# Altium PCB CM3_IO_V1.3_20220317.PcbDoc (part 1 of 7) (continued)
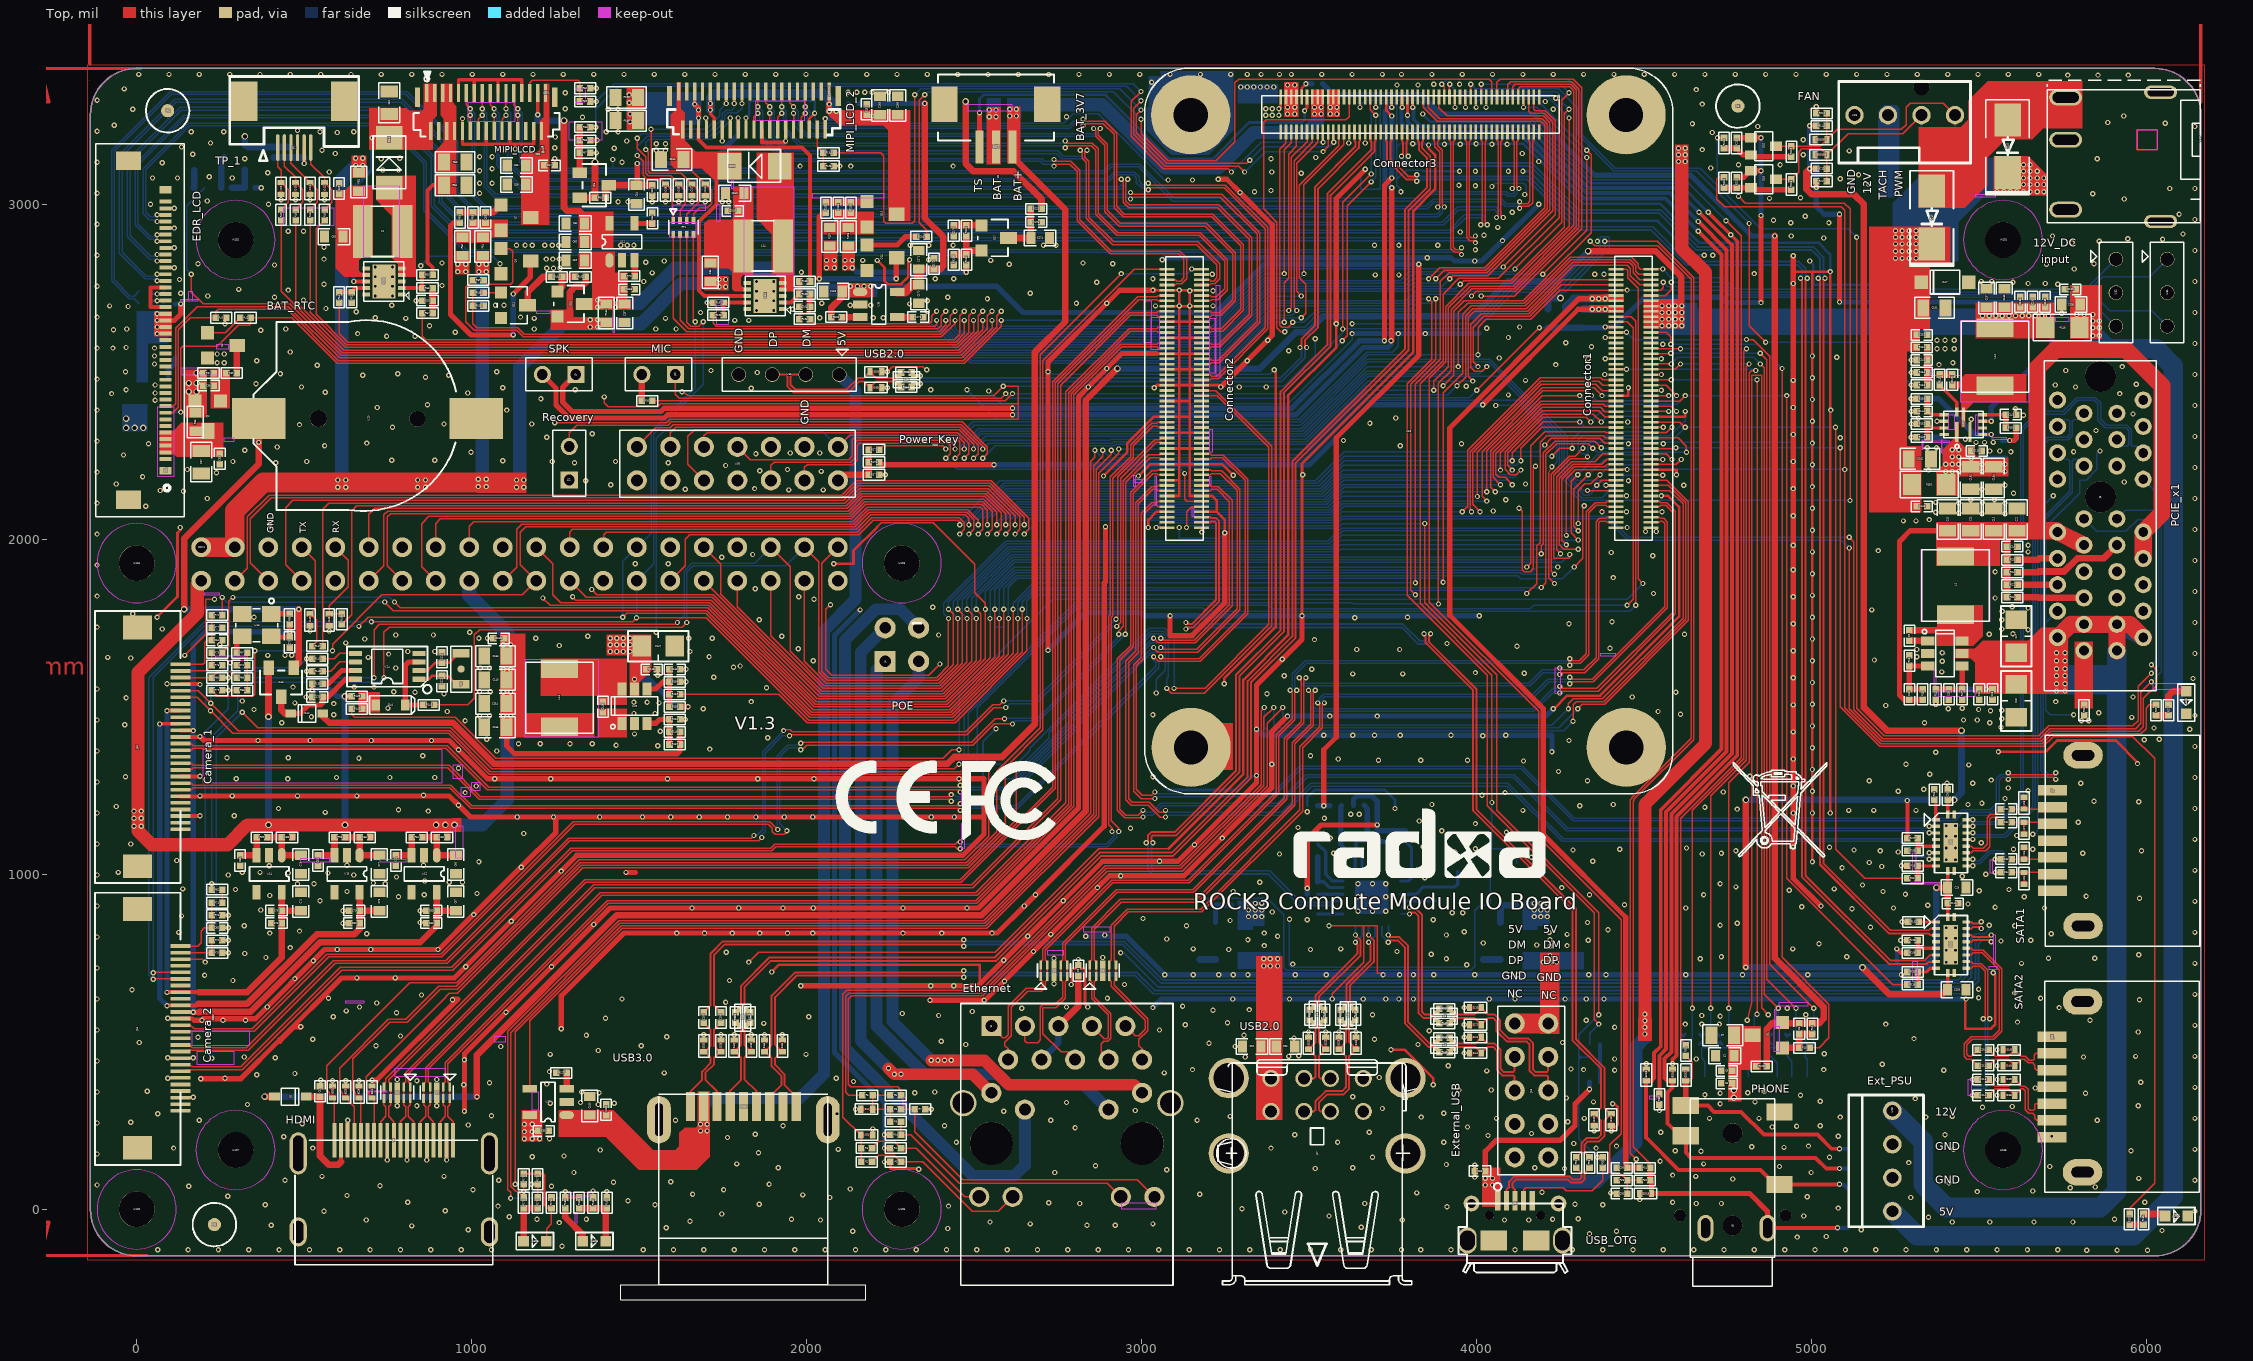
[diagram p0: Top view]
## Components (designator, comment, footprint, x,y, rotation, side; value= is the part's Value field where it differs from the comment) (continued)
R154 "R0402" R0402 5328.74,2498.03 r0 top
R155 "R0402" R0402 5594.49,2332.68 r180 top
R156 "R0402" R0402 5328.74,2419.29 r0 top
R157 "R0402" R0402 1606.3,1387.8 r180 top
R158 "R0402" R0402 1606.3,1500 r180 top
R159 "R0402" R0402 1606.3,1537.4 r180 top
R160 "R0402" R0402 1606.3,1574.8 r0 top
R161 "R0402" R0402 1606.3,1462.6 r0 top
R162 "R0603" R0603 1401.57,2675.2 r270 top
R163 "R0402" R0402 1324.8,2783.46 r0 top
R164 "R0402" R0402 1253.94,2783.46 r180 top
R165 "R0402" R0402 1019.69,2736.22 r180 top
R166 "R0402" R0402 1019.69,2696.85 r0 top
R167 "R0402" R0402 539.37,1681.1 r0 top
R168 "R0402" R0402 612.2,1761.81 r270 top
R169 "R0603" R0603 4212.6,2659.45 r90 bottom
R170 "R0603" R0603 4318.9,2659.45 r90 bottom
R171 "R0603" R0603 4265.75,2659.45 r90 bottom
R172 "R0402" R0402 2200.79,2267.72 r0 top
R173 "R0402" R0402 1155.51,90.55 r270 top
R174 "R0402" R0402 1238.19,19.68 r90 top
R175 "R0402" R0402 1155.51,19.68 r270 top
R176 "R0402" R0402 2200.79,2230.31 r0 top
R177 "R0402" R0402 2200.79,2192.91 r0 top
R178 "R0402" R0402 1196.85,19.68 r270 top
R179 "R0402" R0402 1196.85,90.55 r270 top
R180 "R0402" R0402 1279.53,19.68 r270 top
R181 "R0402" R0402 1320.87,19.68 r90 top
R182 "R0402" R0402 1403.54,19.68 r90 top
R183 "R0402" R0402 1362.2,19.68 r90 top
R184 "R0402" R0402 3523.62,3360.24 r180 bottom
R185 "R0603" R0603 3419.29,3320.87 r0 bottom
R187 "R0402" R0402 1736.22,2706.69 r0 top
R188 "R0402" R0402 1994.09,2769.68 r0 top
R189 "R0805" R0805 1462.6,3250 r180 top
R190 "R0402" R0402 1994.09,2732.28 r180 top
R191 "R0402" R0402 1736.22,2669.29 r0 top
R192 "R0805" R0805 1462.6,3318.9 r180 top
R193 "R0402" R0402 1994.09,2657.48 r180 top
R194 "R0402" R0402 2064.96,3153.54 r180 top
R195 "R0402" R0402 2064.96,3114.17 r0 top
R197 "R0603" R0603 2068.9,2903.54 r90 top
R198 "R0603" R0603 2124.02,2903.54 r90 top
R200 "R0402" R0402 2131.89,2990.16 r90 top
R203 "R0402" R0402 2057.09,2990.16 r270 top
R204 "R0402" R0402 2342.52,2903.54 r180 top
R205 "R0402" R0402 2088.58,2663.39 r0 top
R206 "R0402" R0402 5301.18,1070.87 r0 top
R207 "R0402" R0402 5301.18,1108.27 r0 top
R208 "R0402" R0402 5301.18,803.15 r0 top
R209 "R0402" R0402 5301.18,765.75 r0 top
R210 "R0402" R0402 4775.59,3183.07 r270 top
R211 "R0402" R0402 5029.53,3271.65 r0 top
R212 "R0402" R0402 4775.59,3064.96 r270 top
R213 "R0402" R0402 5029.53,3106.3 r0 top
R214 "R0402" R0402 4738.19,3183.07 r90 top
R215 "R0402" R0402 4738.19,3064.96 r90 top
R217 "R0402" R0402 5029.53,3068.9 r0 top
R218 "R0402" R0402 4938.98,3059.06 r270 top
R219 "R0402" R0402 4938.98,3157.48 r270 top
R220 "R0402" R0402 4850.39,427.17 r180 top
R221 "R0402" R0402 2476.38,2921.26 r270 top
R222 "R0402" R0402 2685.04,2986.22 r0 top
R223 "R0402" R0402 2476.38,2834.65 r90 top
R9209 "R0402" R0402 2438.98,2834.65 r270 top
R9210 "R0402" R0402 2139.76,3301.18 r180 bottom
R9211 "R0402" R0402 2139.76,3263.78 r180 bottom
RP1 "RN8P4RC" RN8P4RC 1631.89,2931.1 r180 top
TP1 "TP_0R70" TP_0R70 5106.3,3.94 r170.54 bottom
TP2 "TP_0R70" TP_0R70 5106.3,122.05 r170.54 bottom
TP3 "TP_0R70" TP_0R70 5106.3,181.1 r170.54 bottom
TP4 "TP_0R70" TP_0R70 5106.3,-55.12 r170.54 bottom
TP5 "TP_0R70" TP_0R70 5106.3,62.99 r170.54 bottom
TP6 "TP_0R70" TP_0R70 3744.09,1098.43 r180 bottom
TP7 "TP_0R70" TP_0R70 415.35,2311.02 r0 bottom
TP8 "TP_0R70" TP_0R70 364.17,2311.02 r0 bottom
TP9 "TP_0R70" TP_0R70 5338.58,2848.43 r180 bottom
TP10 "TP_0R70" TP_0R70 5397.64,2631.89 r180 bottom
TP11 "TP_0R70" TP_0R70 5338.58,2799.21 r180 bottom
TP14 "TP_1R00" TP_1R00 5427.17,3206.69 r180 bottom
TP15 "TP_1R00" TP_1R00 5326.77,3206.69 r180 bottom
TP16 "TP_1R00" TP_1R00 5127.95,3206.69 r180 bottom
U1 "SON10_2R50X1R00X0R50" SON10_2R50X1R00X0R50 895.67,348.43 r180 top
U2 "SON10_2R50X1R00X0R50" SON10_2R50X1R00X0R50 777.56,348.43 r180 top
U5 "SON10_2R50X1R00X0R50" SON10_2R50X1R00X0R50 2738.19,712.6 r0 top
U6 "SON10_2R50X1R00X0R50" SON10_2R50X1R00X0R50 2883.86,712.6 r0 top
U7 "SOT_23_6" SOT_23_6 5397.64,1659.45 r270 top
U8 "QFN20-2D5X4D5" QFN20-2D5X4D5 5415.35,1094.49 r270 top
U9 "SOT_23_5" SOT_23_5 55.12,2435.04 r270 bottom
U10 "DFN10P_3X3" DFN10P_3X3 738.19,2769.68 r90 top
U11 "SOT25" SOT25 1448.82,2887.8 r0 top
U12 "SOT25" SOT25 858.27,1001.97 r180 top
U13 "CRY4_3R20X2R50X0R80" CRY4_3R20X2R50X0R80 358.27,1744.09 r180 top
U14 "SOT25" SOT25 395.67,1001.97 r180 top
U15 "SOT25" SOT25 627.95,1001.97 r180 top
U17 "QFN24" QFN24 3687.01,931.1 r270 bottom
U18 "SOT_23_5" SOT_23_5 3259.84,801.18 r90 bottom
U19 "SOT_23_5" SOT_23_5 4110.24,801.18 r90 bottom
U20 "SOT_23_5" SOT_23_5 1228.35,320.87 r180 top
U22 "QFN20-2D5X4D5" QFN20-2D5X4D5 5415.35,789.37 r270 top
U23 "BAT_CR1220" BAT_CR1220 692.91,2360.24 r90 top
U24 "MSOP8" MSOP8 748.03,1620.08 r180 top
U26 "470531000_4PIN" 470531000_4PIN 5127.17,3266.14 r0 top
U27 "QFN12_2R00X3R00X1R00" QFN12_2R00X3R00X1R00 5452.76,2342.52 r90 top
U28 "XIAO_4PIN_2D54" XIAO_4PIN_2D54 5240.55,294.88 r270 top
U29 "SOT_23_6" SOT_23_6 1486.22,1501.97 r0 top
U30 "DIP_14PIN-2_54MM" DIP_14PIN-2_54MM 1793.31,2226.38 r0 top
U31 "DIP3_1X2P54" DIP3_1X2P54 6061.02,2736.22 r270 top
U32 "DIP3_1X2P54" DIP3_1X2P54 5907.87,2736.22 r270 top
U33 "DF40C-200DS-D4-OK" DF40C-200DS-D4-OK 3796.46,2323.03 r0 top
U34 "DFN10P_3X3" DFN10P_3X3 1875.98,2726.38 r90 top
U35 "SOT25" SOT25 2214.57,2700.79 r270 top
U36 "DIP4_1X2P54" DIP4_1X2P54 1946.85,2492.13 r180 top
U37 "DC-044A" DC-044A 6159.45,3192.91 r90 top
U90074 "LCD39PIN-OK" LCD39PIN-OK 2066.93,3336.61 r90 top
USB6 "USB30-L1" USB30-L1 1811.02,307.09 r0 top
Y1 "CRY4_3R20X2R50X0R80" CRY4_3R20X2R50X0R80 3909.45,964.57 r270 bottom
Y2 "CRY-3215" CRY-3215 968.5,1566.93 r90 top

## Footprints (in the part's own frame and the unit in brackets; to place one, negate y for a bottom-side part, rotate by r counter-clockwise, add the part's x,y. Pads: shape width x height; smd on the part's side, far side on the other; paste and mask are expansions set on the pad)
20455-040E-TOP [mm]
  rect 0.3x0.9 smd: 1(-20.4,0) 2(-19.9,0) 3(-19.4,0) 4(-18.9,0) 5(-18.4,0) 6(-17.9,0) 7(-17.4,0) 8(-16.9,0) 9(-16.4,0) 10(-15.9,0) 11(-15.4,0) 12(-14.9,0) 13(-14.4,0) 14(-13.9,0) 15(-13.4,0) 16(-12.9,0) 17(-12.4,0) 18(-11.9,0) 19(-11.4,0) 20(-10.9,0) 21(-10.4,0) 22(-9.9,0) 23(-9.4,0) 24(-8.9,0) 25(-8.4,0) 26(-7.9,0) 27(-7.4,0) 28(-6.9,0) 29(-6.4,0) 30(-5.9,0) 31(-5.4,0) 32(-4.9,0) 33(-4.4,0) 34(-3.9,0) 35(-3.4,0) 36(-2.9,0) 37(-2.4,0) 38(-1.9,0) 39(-1.4,0) 40(-0.9,0)
  rect 0.55x0.9 smd: 41(0,0) 42(-21.3,0)
  rect 1.4x1.9 smd: 43(-23.5,-2.82) 44(2.2,-2.82)
  silkscreen extent -24.8,-5.3 3.5,1.4
470531000_4PIN [mm]
  round 1.4 hole 0.9: 1(0.01,0) 2(2.55,0) 3(5.09,0) 4(7.63,0)
  round 1.2 hole 1.2: 5(5.09,2.11)
  silkscreen extent -1.19,-3.65 8.8,2.56
BAT_CR1220 [mm]
  rect 3.099x4.064 smd: 1(0,8.348) 2(0,-8.134)
  round 1.2 hole 1.2 unplated: 3(0,-3.685)
  round 1.3 hole 1.3 unplated: 4(0,3.815)
  silkscreen extent -6.99,-6.61 7.47,8.76
C0402 [mm]
  rect 0.5x0.5 smd: 1(-0.4,0) 2(0.4,0)
  silkscreen extent -0.8,-0.4 0.8,0.4
C0603 [mm]
  rect 0.7x0.9 smd: 1(-0.7,0) 2(0.7,0)
  silkscreen extent -1.2,-0.6 1.2,0.6
C0805 [mm]
  rect 0.9x1.3 smd: 1(-0.85,0) 2(0.85,0)
  silkscreen extent -1.5,-0.8 1.5,0.8
C1206 [mil]
  rect 55x63 smd mask+2.5: 1(-49.21,0) 2(49.21,0)
  silkscreen extent -90,-46 90,46
CRY4_3R20X2R50X0R80 [mm]
  rect 1.4x1.2 smd: 1(-1.1,-0.85) 2(1.1,-0.85) 3(1.1,0.85) 4(-1.1,0.85)
  silkscreen extent -1.6,-2.02 1.6,1.26
CRY-3215 [mm]
  rect 0.65x1.3 smd: 1(0,0) 2(2.35,0)
  round 0.55 smd: 3(1.175,0)
  silkscreen extent -0.6,-0.8 2.9,0.8
DC-044A [mm]
  oval 1.2x2.5 / inner oval 1.2x2.5 / far side oval 1.5x2.8 hole 0.787 slot 1.981 at 90 deg: 1(3.2,10.2) 2(-5.3,10.2) 3(0,10.2)
  oval 1x2.5 / inner oval 1x2.5 / far side oval 1.2x2.8 hole 0.6 slot 1.981 at 90 deg: 4(-6.2,3) 5(3.6,3)
  Top keep-out region: -0.759,4.741 0.741,4.741 0.741,3.241 -0.759,3.241 -0.759,4.741
  silkscreen extent -6.3,0 4.5,11.6
DF40C-200DS-D4-OK [mm]
  rect 1.14x0.2 smd: 1(18.39,-7.32) 2(15.73,-7.32) 3(18.39,-6.92) 4(15.73,-6.92) 5(18.39,-6.52) 6(15.73,-6.52) 7(18.39,-6.12) 8(15.73,-6.12) 9(18.39,-5.72) 10(15.73,-5.72) 11(18.39,-5.32) 12(15.73,-5.32) 13(18.39,-4.92) 14(15.73,-4.92) 15(18.39,-4.52) 16(15.73,-4.52) 17(18.39,-4.12) 18(15.73,-4.12) 19(18.39,-3.72) 20(15.73,-3.72) 21(18.39,-3.32) 22(15.73,-3.32) 23(18.39,-2.92) 24(15.73,-2.92) 25(18.39,-2.52) 26(15.73,-2.52) 27(18.39,-2.12) 28(15.73,-2.12) 29(18.39,-1.72) 30(15.73,-1.72) 31(18.39,-1.32) 32(15.73,-1.32) 33(18.39,-0.92) 34(15.73,-0.92) 35(18.39,-0.52) 36(15.73,-0.52) 37(18.39,-0.12) 38(15.73,-0.12) 39(18.39,0.28) 40(15.73,0.28) 41(18.39,0.68) 42(15.73,0.68) 43(18.39,1.08) 44(15.73,1.08) 45(18.39,1.48) 46(15.73,1.48) 47(18.39,1.88) 48(15.73,1.88) 49(18.39,2.28) 50(15.73,2.28) 51(18.39,2.68) 52(15.73,2.68) 53(18.39,3.08) 54(15.73,3.08) 55(18.39,3.48) 56(15.73,3.48) 57(18.39,3.88) 58(15.73,3.88) 59(18.39,4.28) 60(15.73,4.28) 61(18.39,4.68) 62(15.73,4.68) 63(18.39,5.08) 64(15.73,5.08) 65(18.39,5.48) 66(15.73,5.48) 67(18.39,5.88) 68(15.73,5.88) 69(18.39,6.28) 70(15.73,6.28) 71(18.39,6.68) 72(15.73,6.68) 73(18.39,7.08) 74(15.73,7.08) 75(18.39,7.48) 76(15.73,7.48) 77(18.39,7.88) 78(15.73,7.88) 79(18.39,8.28) 80(15.73,8.28) 81(18.39,8.68) 82(15.73,8.68) 83(18.39,9.08) 84(15.73,9.08) 85(18.39,9.48) 86(15.73,9.48) 87(18.39,9.88) 88(15.73,9.88) 89(18.39,10.28) 90(15.73,10.28) 91(18.39,10.68) 92(15.73,10.68) 93(18.39,11.08) 94(15.73,11.08) 95(18.39,11.48) 96(15.73,11.48) 97(18.39,11.88) 98(15.73,11.88) 99(18.39,12.28) 100(15.73,12.28) 101(-15.68,-7.32) 102(-18.32,-7.32) 103(-15.68,-6.92) 104(-18.32,-6.92) 105(-15.68,-6.52) 106(-18.32,-6.52) 107(-15.68,-6.12) 108(-18.32,-6.12) 109(-15.68,-5.72) 110(-18.32,-5.72) 111(-15.68,-5.32) 112(-18.32,-5.32) 113(-15.68,-4.92) 114(-18.32,-4.92) 115(-15.68,-4.52) 116(-18.32,-4.52) 117(-15.68,-4.12) 118(-18.32,-4.12) 119(-15.68,-3.72) 120(-18.32,-3.72) 121(-15.68,-3.32) 122(-18.32,-3.32) 123(-15.68,-2.92) 124(-18.32,-2.92) 125(-15.68,-2.52) 126(-18.32,-2.52) 127(-15.68,-2.12) 128(-18.32,-2.12) 129(-15.68,-1.72) 130(-18.32,-1.72) 131(-15.68,-1.32) 132(-18.32,-1.32) 133(-15.68,-0.92) 134(-18.32,-0.92) 135(-15.68,-0.52) 136(-18.32,-0.52) 137(-15.68,-0.12) 138(-18.32,-0.12) 139(-15.68,0.28) 140(-18.32,0.28) 141(-15.68,0.68) 142(-18.32,0.68) 143(-15.68,1.08) 144(-18.32,1.08) 145(-15.68,1.48) 146(-18.32,1.48) 147(-15.68,1.88) 148(-18.32,1.88) 149(-15.68,2.28) 150(-18.32,2.28) 151(-15.68,2.68) 152(-18.32,2.68) 153(-15.68,3.08) 154(-18.32,3.08) 155(-15.68,3.48) 156(-18.32,3.48) 157(-15.68,3.88) 158(-18.32,3.88) 159(-15.68,4.28) 160(-18.32,4.28) 161(-15.68,4.68) 162(-18.32,4.68) 163(-15.68,5.08) 164(-18.32,5.08) 165(-15.68,5.48) 166(-18.32,5.48) 167(-15.68,5.88) 168(-18.32,5.88) 169(-15.68,6.28) 170(-18.32,6.28) 171(-15.68,6.68) 172(-18.32,6.68) 173(-15.68,7.08) 174(-18.32,7.08) 175(-15.68,7.48) 176(-18.32,7.48) 177(-15.68,7.88) 178(-18.32,7.88) 179(-15.68,8.28) 180(-18.32,8.28) 181(-15.68,8.68) 182(-18.32,8.68) 183(-15.68,9.08) 184(-18.32,9.08) 185(-15.68,9.48) 186(-18.32,9.48) 187(-15.68,9.88) 188(-18.32,9.88) 189(-15.68,10.28) 190(-18.32,10.28) 191(-15.68,10.68) 192(-18.32,10.68) 193(-15.68,11.08) 194(-18.32,11.08) 195(-15.68,11.48) 196(-18.32,11.48) 197(-15.68,11.88) 198(-18.32,11.88) 199(-15.68,12.28) 200(-18.32,12.28)
  round 6 hole 2.6: 201(16.51,-23.98) 202(-16.49,-23.98) 203(-16.51,23.97) 204(16.49,23.97)
  silkscreen extent -19.99,-27.48 20.03,27.5
DF40C_100DS [mm]
  rect 1.14x0.2 smd: 1(2.73,-1.5) 2(0.09,-1.5) 3(2.73,-1.9) 4(0.09,-1.9) 5(2.73,-2.3) 6(0.09,-2.3) 7(2.73,-2.7) 8(0.09,-2.7) 9(2.73,-3.1) 10(0.09,-3.1) 11(2.73,-3.5) 12(0.09,-3.5) 13(2.73,-3.9) 14(0.09,-3.9) 15(2.73,-4.3) 16(0.09,-4.3) 17(2.73,-4.7) 18(0.09,-4.7) 19(2.73,-5.1) 20(0.09,-5.1) 21(2.73,-5.5) 22(0.09,-5.5) 23(2.73,-5.9) 24(0.09,-5.9) 25(2.73,-6.3) 26(0.09,-6.3) 27(2.73,-6.7) 28(0.09,-6.7) 29(2.73,-7.1) 30(0.09,-7.1) 31(2.73,-7.5) 32(0.09,-7.5) 33(2.73,-7.9) 34(0.09,-7.9) 35(2.73,-8.3) 36(0.09,-8.3) 37(2.73,-8.7) 38(0.09,-8.7) 39(2.73,-9.1) 40(0.09,-9.1) 41(2.73,-9.5) 42(0.09,-9.5) 43(2.73,-9.9) 44(0.09,-9.9) 45(2.73,-10.3) 46(0.09,-10.3) 47(2.73,-10.7) 48(0.09,-10.7) 49(2.73,-11.1) 50(0.09,-11.1) 51(2.73,-11.5) 52(0.09,-11.5) 53(2.73,-11.9) 54(0.09,-11.9) 55(2.73,-12.3) 56(0.09,-12.3) 57(2.73,-12.7) 58(0.09,-12.7) 59(2.73,-13.1) 60(0.09,-13.1) 61(2.73,-13.5) 62(0.09,-13.5) 63(2.73,-13.9) 64(0.09,-13.9) 65(2.73,-14.3) 66(0.09,-14.3) 67(2.73,-14.7) 68(0.09,-14.7) 69(2.73,-15.1) 70(0.09,-15.1) 71(2.73,-15.5) 72(0.09,-15.5) 73(2.73,-15.9) 74(0.09,-15.9) 75(2.73,-16.3) 76(0.09,-16.3) 77(2.73,-16.7) 78(0.09,-16.7) 79(2.73,-17.1) 80(0.09,-17.1) 81(2.73,-17.5) 82(0.09,-17.5) 83(2.73,-17.9) 84(0.09,-17.9) 85(2.73,-18.3) 86(0.09,-18.3) 87(2.73,-18.7) 88(0.09,-18.7) 89(2.73,-19.1) 90(0.09,-19.1) 91(2.73,-19.5) 92(0.09,-19.5) 93(2.73,-19.9) 94(0.09,-19.9) 95(2.73,-20.3) 96(0.09,-20.3) 97(2.73,-20.7) 98(0.09,-20.7) 99(2.73,-21.1) 100(0.09,-21.1)
  silkscreen extent 0,-22.54 2.84,0.01
DFN10P_3X3 [mm]
  rect 0.3x0.55 smd: 1(-1,-1.34) 2(-0.5,-1.34) 3(0,-1.34) 4(0.5,-1.34) 5(1,-1.34) 6(1,1.35) 7(0.5,1.35) 8(0,1.35) 9(-0.5,1.35) 10(-1,1.35)
  rect 2.6x1.75 smd: 11(0,0)
  silkscreen extent -1.48,-1.93 1.48,1.52
DIP2PIN-2P54MM [mm]
  rect 1.3x1.3 hole 0.8 mask+0.075: 1(0,0)
  round 1.3 hole 0.8 mask+0.075: 2(0,-2.54)
  silkscreen extent -1.25,-3.79 1.25,1.25
DIP3_1X2P54 [mm]
  round 1.1 / inner round 1.1 / far side round 1.6 hole 1: 1(-2.54,0) 2(0,0) 3(2.54,0)
  silkscreen extent -3.81,-1.9 3.81,1.27
DIP4_1X2P54 [mm]
  round 1.1 / inner round 1.1 / far side round 1.6 hole 1: 1(-3.82,0.01) 2(-1.28,0.01) 3(1.26,0.01) 4(3.8,0.01)
  silkscreen extent -5.09,-1.89 5.04,1.28
DIP4PIN-2_54MM-2X2 [mm]
  round 1.6 / inner round 1.27 / far side round 1.6 hole 0.889: 1(2.54,-2.54) 2(2.54,0) 3(0,-2.54)
  rect 1.6x1.6 hole 0.889: 4(0,0)
  silkscreen extent 2.9,-2.75 2.9,-2.1
DIP40PIN_2D54MM [mm]
  round 1.5 / inner round 1.15 / far side round 1.5 hole 0.9: 1(0,-2.54) 2(0,0) 3(2.54,-2.54) 4(2.54,0) 5(5.08,-2.54) 6(5.08,0) 7(7.62,-2.54) 8(7.62,0) 9(10.16,-2.54) 10(10.16,0) 11(12.7,-2.54) 12(12.7,0) 13(15.24,-2.54) 14(15.24,0) 15(17.78,-2.54) 16(17.78,0) 17(20.32,-2.54) 18(20.32,0) 19(22.86,-2.54) 20(22.86,0) 21(25.4,-2.54) 22(25.4,0) 23(27.94,-2.54) 24(27.94,0) 25(30.48,-2.54) 26(30.48,0) 27(33.02,-2.54) 28(33.02,0) 29(35.56,-2.54) 30(35.56,0) 31(38.1,-2.54) 32(38.1,0) 33(40.64,-2.54) 34(40.64,0) 35(43.18,-2.54) 36(43.18,0) 37(45.72,-2.54) 38(45.72,0) 39(48.26,-2.54) 40(48.26,0)
DIP_10PIN-2_54MM [mil]
  round 60 / inner round 45.28 / far side round 60 hole 35.43 mask+1.99: 1(-200.79,-50) 2(-200.79,50) 3(-100.79,-50) 4(-100.79,50) 5(-0.79,-50) 6(-0.79,50) 7(99.21,-50) 8(99.21,50) 9(199.21,-50) 10(199.21,50)
  silkscreen extent -252,-100 251,100
DIP_14PIN-2_54MM [mil]
  round 60 / inner round 45.28 / far side round 60 hole 35.43 mask+1.99: 1(-300,-50.39) 2(-300,49.61) 3(-200,-50.39) 4(-200,49.61) 5(-100,-50.39) 6(-100,49.61) 7(0,-50.39) 8(0,49.61) 9(100,-50.39) 10(100,49.61) 11(200,-50.39) 12(200,49.61) 13(300,-50.39) 14(300,49.61)
  silkscreen extent -351,-100 352,100
DO214AC [mm]
  rect 1.8x2 smd: 1(3.6,0) 2(-0.2,0)
  silkscreen extent -0.34,-1.24 3.66,1.26
DO_214AC [mm]
  rect 2.5x2 smd mask+0.05: 1(-2,0) 2(2,0)
  silkscreen extent -3.54,-1.65 3.68,1.65
E0402N [mil]
  rrect0% 25x25 smd: 1(-25,0) 2(25,0)
  Top region: 12.5,7 6,0.5 12.75,-6.25 12.75,6.5 12.5,6.5 12.5,7
  Top region: 14.5,11 3.75,0.25 14.75,-10.75 14.75,10.5 14.5,10.5 14.5,11
  Top region: -12,-6.5 -5.5,0 -12.25,6.75 -12.25,-6 -12,-6 -12,-6.5
  Top region: -14,-10.5 -3.25,0.25 -14.25,11.25 -14.25,-10 -14,-10 -14,-10.5
  Top lines w2: -19.5,-7 -12,-7 ; 12.5,-7 20,-7 ; -18,-5.5 -10.5,-5.5 ; 11,-5.5 18.5,-5.5 ; -16.5,-4 -9,-4 ; 10,-4 17.5,-4 ; 9,-3 16.5,-3 ; -15.5,-2.5 -8,-2.5 ; 8,-2 15.5,-2 ; -14,-1.5 -6.5,-1.5 ; 6.5,-1 14,-1 ; -13,-0.5 -5.5,-0.5 ; 5.5,0 13,0 ; -12.5,0.5 -5,0.5 ; 6,1 13.5,1 ; -13.5,1.5 -6,1.5 ; 7,2 14.5,2 ; -15,2.5 -7.5,2.5 ; 8.5,3 16,3 ; -16,3.5 -8.5,3.5 ; -17,4.5 -9.5,4.5 ; 9.5,4.5 17,4.5 ; -18,6 -10.5,6 ; 11,6 18.5,6 ; -19.5,7.5 -12,7.5 ; 12.5,7.5 20,7.5
  silkscreen extent -45,-22 45,22
ESD0402_1XD5 [mm]
  rect 0.4x0.55 smd: 1(-0.45,0) 2(0.45,0)
  Top region: 0.318,0.178 0.152,0.013 0.324,-0.159 0.324,0.165 0.318,0.165 0.318,0.178
  Top region: 0.368,0.279 0.095,0.006 0.375,-0.273 0.375,0.267 0.368,0.267 0.368,0.279
  Top region: -0.305,-0.165 -0.14,0 -0.311,0.171 -0.311,-0.152 -0.305,-0.152 -0.305,-0.165
  Top region: -0.356,-0.267 -0.083,0.006 -0.362,0.286 -0.362,-0.254 -0.356,-0.254 -0.356,-0.267
  Top lines w0.051: 0.508,0.191 0.317,0.191 ; 0.508,-0.178 0.318,-0.178 ; 0.47,0.152 0.279,0.152 ; 0.47,-0.14 0.279,-0.14 ; 0.445,-0.102 0.254,-0.102 ; 0.432,0.114 0.241,0.114 ; 0.419,-0.076 0.229,-0.076 ; 0.406,0.076 0.216,0.076 ; 0.394,-0.051 0.203,-0.051 ; 0.368,0.051 0.178,0.051 ; 0.356,-0.025 0.165,-0.025 ; 0.343,0.025 0.152,0.025 ; 0.33,0 0.14,0 ; -0.127,0.013 -0.318,0.013 ; -0.14,-0.013 -0.33,-0.013 ; -0.152,0.038 -0.343,0.038 ; -0.165,-0.038 -0.356,-0.038 ; -0.191,0.063 -0.381,0.063 ; -0.203,-0.064 -0.394,-0.064 ; -0.216,0.089 -0.406,0.089 ; -0.229,-0.102 -0.419,-0.102 ; -0.241,0.114 -0.432,0.114 ; -0.267,0.152 -0.457,0.152 ; -0.267,-0.14 -0.457,-0.14 ; -0.305,0.19 -0.495,0.19 ; -0.305,-0.178 -0.495,-0.178
  silkscreen extent -0.85,-0.4 0.85,0.4
FH35C_31P_0_6SHW [mil]
  rect 10x54 smd mask+2: 1(354.33,0) 2(342.52,113.18) 3(330.71,0) 4(318.9,113.18) 5(307.09,0) 6(295.28,113.18) 7(283.46,0) 8(271.65,113.18) 9(259.84,0) 10(248.03,113.18) 11(236.22,0) 12(224.41,113.18) 13(212.6,0) 14(200.79,113.18) 15(188.98,0) 16(177.17,113.18) 17(165.35,0) 18(153.54,113.18) 19(141.73,0) 20(129.92,113.18) 21(118.11,0) 22(106.3,113.18) 23(94.49,0) 24(82.68,113.18) 25(70.87,0) 26(59.05,113.18) 27(47.24,0) 28(35.43,113.18) 29(23.62,0) 30(11.81,113.18) 31(0,0)
  rect 15.75x59.06 smd mask+2.95: 32(381.89,13.18) 33(-27.56,13.18)
  silkscreen extent -42,-64 394,131
FPC6-0.5MM-2660H [mm]
  oval 0.254x2.032 smd: 1(-1.25,0) 2(-0.75,0) 3(-0.25,0) 4(0.25,0) 5(0.75,0) 6(1.25,0)
  rect 2x3 smd paste-0.484 mask-0.484: 7(3.8,-3.5) 8(-3.8,-3.5)
  silkscreen extent -4.9,-5.39 4.9,1
FPC-26P-0D5MM [mm]
  rect 0.279x1.5 smd: 1(-6.27,3.28) 2(-5.77,3.28) 3(-5.27,3.28) 4(-4.77,3.28) 5(-4.27,3.28) 6(-3.77,3.28) 7(-3.27,3.28) 8(-2.77,3.28) 9(-2.27,3.28) 10(-1.77,3.28) 11(-1.27,3.28) 12(-0.77,3.28) 13(-0.27,3.28) 14(0.23,3.28) 15(0.73,3.28) 16(1.23,3.28) 17(1.73,3.28) 18(2.23,3.28) 19(2.73,3.28) 20(3.23,3.28) 21(3.73,3.28) 22(4.23,3.28) 23(4.73,3.28) 24(5.23,3.28) 25(5.73,3.28) 26(6.23,3.28)
  rect 1.8x2.2 smd: 27(9.03,0.03) 28(-9.07,0.03)
  silkscreen extent -10.31,-3.22 10.32,3.28
HDMIA19S [mm]
  rect 0.3x2.6 smd: 1(-4.5,0) 2(-4,0) 3(-3.5,0) 4(-3,0) 5(-2.5,0) 6(-2,0) 7(-1.5,0) 8(-1,0) 9(-0.5,0) 10(0,0) 11(0.5,0) 12(1,0) 13(1.5,0) 14(2,0) 15(2.5,0) 16(3,0) 17(3.5,0) 18(4,0) 19(4.5,0)
  oval 1.3x3.2 hole 0.787 slot 2.692 at 90 deg: 20(7.25,1) 21(-7.25,1)
  oval 1.3x2.2 hole 0.787 slot 1.676 at 90 deg: 22(-7.25,6.96) 23(7.25,6.96)
  silkscreen extent -7.5,0 7.5,9.45
HOLE_R6_2D7MM [mm]
  round 2.7 hole 2.7 unplated: 1(0,0)
  Top keep-out region: 3.003,0 2.774,1.149 2.123,2.123 1.149,2.774 0,3.003 0,3.003 -1.149,2.774 -2.123,2.123 -2.774,1.149 -3.003,0 -3.003,0 -2.774,-1.149 -2.123,-2.123 -1.149,-2.774 0,-3.003 0,-3.003 1.149,-2.774 2.123,-2.123 2.774,-1.149 3.003,0
  Bottom keep-out region: 3.003,0 2.774,1.149 2.123,2.123 1.149,2.774 0,3.003 0,3.003 -1.149,2.774 -2.123,2.123 -2.774,1.149 -3.003,0 -3.003,0 -2.774,-1.149 -2.123,-2.123 -1.149,-2.774 0,-3.003 0,-3.003 1.149,-2.774 2.123,-2.123 2.774,-1.149 3.003,0
IND-4X4 [mm]
  rect 1.5x4 smd mask+0.051: 1(-1.5,0) 2(1.5,0)
  silkscreen extent -0.85,-1.9 0.85,1.9
IND-5020 [mm]
  rect 1.4x2.8 smd: 1(-2.2,0) 2(2.2,0)
  silkscreen extent -2.7,-2.55 2.7,2.55
L0402 [mm]
  rect 0.5x0.5 smd: 1(-0.45,0) 2(0.45,0)
  silkscreen extent -0.8,-0.35 0.8,0.35